# Altium PCB kunkun.PcbDoc (part 4 of 8)
Units mil, origin at the board's own origin, x right, y up, seen from the top; angles counter-clockwise.
Board outline 11417.32 x 6911.54 mil, 2 copper layers (Top Layer, Bottom Layer), stack 28 mil thick; 1172 components, 690 nets, 3402 pads, 1297 vias.
Unrouted connection lines stored in the file: 210.
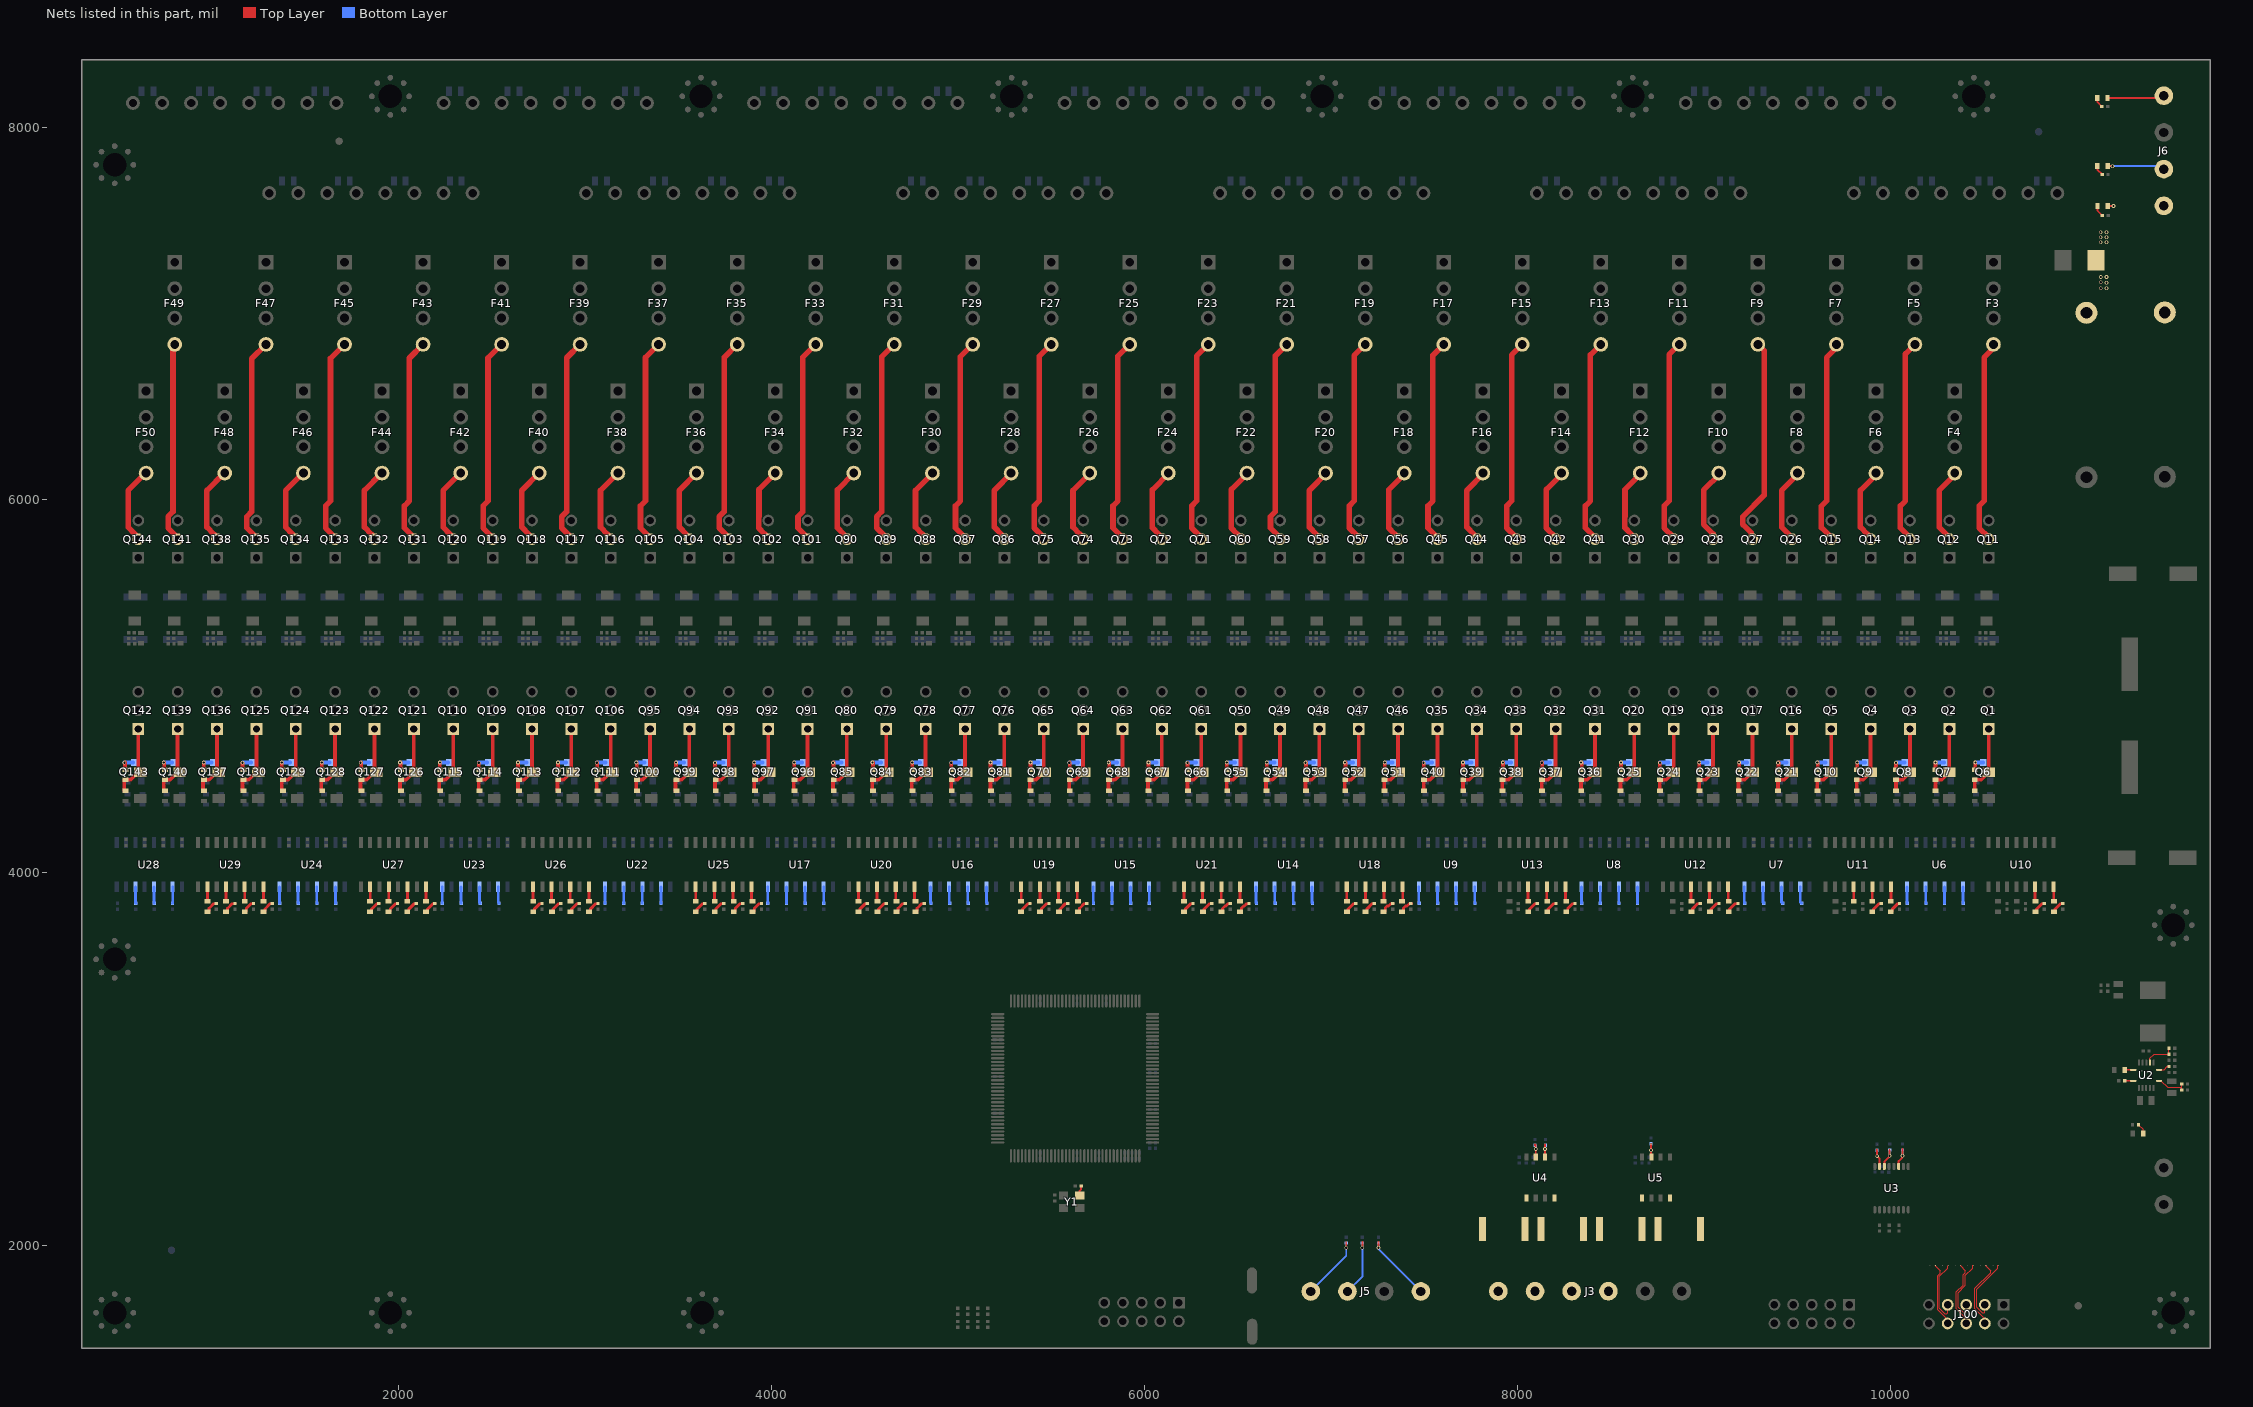
[diagram p4: the nets of this part, all layers, seen from the top]

## Via types
v1: diameter 19.68, hole 11.81, Top Layer to Bottom Layer, tented both sides, 1297 vias

## Nets (pads, with @x,y where several pads share a name; then routed paths per layer and width w, separated by ;. In a path a pad name is that pad's centre, name@x,y a point inside that pad or via, vN(x,y) a via of type N, cw(c..) or ccw(c..) an arc to the next point about the centre after c; other vN are vias at no path point) (continued)
NetD6_2: D6.2 U11.4 | length 77.9
  Top Layer w15: D6.2@9804.26,3846.75 U11.4@9804.26,3924.62
NetD7_1: D7.1 R59.2 | length 72.3
  Top Layer w15: D7.1@8930.09,3791.44 8934.03,3791.44 8938.34,3795.75 8938.34,3804.91 8967.67,3834.24 8977.38,3834.24 R59.2@8978.74,3835.6
NetD7_2: D7.2 U12.4 | length 77.9
  Top Layer w15: D7.2@8931.29,3846.75 U12.4@8931.29,3924.62
NetD8_1: D8.1 R60.2 | length 72.3
  Top Layer w15: D8.1@8057.13,3791.44 8061.07,3791.44 8065.38,3795.75 8065.38,3804.91 8094.71,3834.24 8104.42,3834.24 R60.2@8105.78,3835.6
NetD8_2: D8.2 U13.4 | length 77.9
  Top Layer w15: D8.2@8058.33,3846.75 U13.4@8058.33,3924.62
NetD9_1: D9.1 R61.2 | length 72.3
  Top Layer w15: D9.1@10776.02,3791.44 10779.96,3791.44 10784.27,3795.75 10784.27,3804.91 10813.6,3834.24 10823.31,3834.24 R61.2@10824.67,3835.6
NetD9_2: D9.2 U10.6 | length 77.9
  Top Layer w15: D9.2@10777.22,3846.75 U10.6@10777.22,3924.62
NetD10_1: D10.1 R62.2 | length 72.3
  Top Layer w15: D10.1@9903.06,3791.44 9906.99,3791.44 9911.3,3795.75 9911.3,3804.91 9940.63,3834.24 9950.35,3834.24 R62.2@9951.7,3835.6
NetD10_2: D10.2 U11.6 | length 77.9
  Top Layer w15: D10.2@9904.26,3846.75 U11.6@9904.26,3924.62
NetD11_1: D11.1 R63.2 | length 72.3
  Top Layer w15: D11.1@9030.09,3791.44 9034.03,3791.44 9038.34,3795.75 9038.34,3804.91 9067.67,3834.24 9077.38,3834.24 R63.2@9078.74,3835.6
NetD11_2: D11.2 U12.6 | length 77.9
  Top Layer w15: D11.2@9031.29,3846.75 U12.6@9031.29,3924.62
NetD12_1: D12.1 R64.2 | length 72.3
  Top Layer w15: D12.1@8157.13,3791.44 8161.07,3791.44 8165.38,3795.75 8165.38,3804.91 8194.71,3834.24 8204.42,3834.24 R64.2@8205.78,3835.6
NetD12_2: D12.2 U13.6 | length 77.9
  Top Layer w15: D12.2@8158.33,3846.75 U13.6@8158.33,3924.62
NetD13_1: D13.1 R65.2 | length 72.3
  Top Layer w15: D13.1@10876.02,3791.44 10879.96,3791.44 10884.27,3795.75 10884.27,3804.91 10913.6,3834.24 10923.31,3834.24 R65.2@10924.67,3835.6
NetD13_2: D13.2 U10.8 | length 77.9
  Top Layer w15: D13.2@10877.22,3846.75 U10.8@10877.22,3924.62
NetD14_1: D14.1 R66.2 | length 72.3
  Top Layer w15: D14.1@10003.06,3791.44 10006.99,3791.44 10011.3,3795.75 10011.3,3804.91 10040.63,3834.24 10050.35,3834.24 R66.2@10051.7,3835.6
NetD14_2: D14.2 U11.8 | length 77.9
  Top Layer w15: D14.2@10004.26,3846.75 U11.8@10004.26,3924.62
NetD15_1: D15.1 R67.2 | length 72.3
  Top Layer w15: D15.1@9130.09,3791.44 9134.03,3791.44 9138.34,3795.75 9138.34,3804.91 9167.67,3834.24 9177.38,3834.24 R67.2@9178.74,3835.6
NetD15_2: D15.2 U12.8 | length 77.9
  Top Layer w15: D15.2@9131.29,3846.75 U12.8@9131.29,3924.62
NetD16_1: D16.1 R68.2 | length 74.9
  Top Layer w15: D16.1@8261.07,3791.44 8266.42,3791.44 8270.73,3795.75 8270.73,3809.57 8295.4,3834.24 8308.76,3834.24 R68.2@8308.76,3835.6
NetD16_2: D16.2 U13.8 | length 77.9
  Top Layer w15: D16.2@8258.33,3846.75 U13.8@8258.33,3924.62
NetD17_1: D17.1 R85.2 | length 72.3
  Top Layer w15: D17.1@7084.17,3791.44 7088.1,3791.44 7092.41,3795.75 7092.41,3804.91 7121.74,3834.24 7131.46,3834.24 R85.2@7132.81,3835.6
NetD17_2: D17.2 U18.2 | length 77.9
  Top Layer w15: D17.2@7085.37,3846.75 U18.2@7085.37,3924.62
NetD18_1: D18.1 R86.2 | length 72.3
  Top Layer w15: D18.1@6211.2,3791.44 6215.14,3791.44 6219.45,3795.75 6219.45,3804.91 6248.78,3834.24 6258.49,3834.24 R86.2@6259.85,3835.6
NetD18_2: D18.2 U21.2 | length 77.9
  Top Layer w15: D18.2@6212.4,3846.75 U21.2@6212.4,3924.62
NetD19_1: D19.1 R87.2 | length 72.3
  Top Layer w15: D19.1@5338.24,3791.44 5342.18,3791.44 5346.49,3795.75 5346.49,3804.91 5375.82,3834.24 5385.53,3834.24 R87.2@5386.89,3835.6
NetD19_2: D19.2 U19.2 | length 77.9
  Top Layer w15: D19.2@5339.44,3846.75 U19.2@5339.44,3924.62
NetD20_1: D20.1 R88.2 | length 72.3
  Top Layer w15: D20.1@4465.28,3791.44 4469.21,3791.44 4473.52,3795.75 4473.52,3804.91 4502.85,3834.24 4512.57,3834.24 R88.2@4513.92,3835.6
NetD20_2: D20.2 U20.2 | length 77.9
  Top Layer w15: D20.2@4466.48,3846.75 U20.2@4466.48,3924.62
NetD21_1: D21.1 R89.2 | length 72.3
  Top Layer w15: D21.1@7184.17,3791.44 7188.1,3791.44 7192.41,3795.75 7192.41,3804.91 7221.74,3834.24 7231.46,3834.24 R89.2@7232.81,3835.6
NetD21_2: D21.2 U18.4 | length 77.9
  Top Layer w15: D21.2@7185.37,3846.75 U18.4@7185.37,3924.62
NetD22_1: D22.1 R90.2 | length 72.3
  Top Layer w15: D22.1@6311.2,3791.44 6315.14,3791.44 6319.45,3795.75 6319.45,3804.91 6348.78,3834.24 6358.49,3834.24 R90.2@6359.85,3835.6
NetD22_2: D22.2 U21.4 | length 77.9
  Top Layer w15: D22.2@6312.4,3846.75 U21.4@6312.4,3924.62
NetD23_1: D23.1 R91.2 | length 72.3
  Top Layer w15: D23.1@5438.24,3791.44 5442.18,3791.44 5446.49,3795.75 5446.49,3804.91 5475.82,3834.24 5485.53,3834.24 R91.2@5486.89,3835.6
NetD23_2: D23.2 U19.4 | length 77.9
  Top Layer w15: D23.2@5439.44,3846.75 U19.4@5439.44,3924.62
NetD24_1: D24.1 R92.2 | length 72.3
  Top Layer w15: D24.1@4565.28,3791.44 4569.21,3791.44 4573.52,3795.75 4573.52,3804.91 4602.85,3834.24 4612.57,3834.24 R92.2@4613.92,3835.6
NetD24_2: D24.2 U20.4 | length 77.9
  Top Layer w15: D24.2@4566.48,3846.75 U20.4@4566.48,3924.62
NetD25_1: D25.1 R93.2 | length 76.5
  Top Layer w15: D25.1@7284.17,3791.44 7288.1,3791.44 7291.7,3795.04 7291.7,3811.35 7301.95,3821.6 7309.11,3821.6 7321.74,3834.24 7331.46,3834.24 R93.2@7332.81,3835.6
NetD25_2: D25.2 U18.6 | length 77.9
  Top Layer w15: D25.2@7285.37,3846.75 U18.6@7285.37,3924.62
NetD26_1: D26.1 R94.2 | length 74.8
  Top Layer w15: D26.1@6411.2,3791.44 6415.14,3791.44 6419.45,3795.75 6419.45,3809.11 6431.94,3821.6 6436.14,3821.6 6448.78,3834.24 6458.49,3834.24 R94.2@6459.85,3835.6
NetD26_2: D26.2 U21.6 | length 77.9
  Top Layer w15: D26.2@6412.4,3846.75 U21.6@6412.4,3924.62
NetD27_1: D27.1 R95.2 | length 72.3
  Top Layer w15: D27.1@5538.24,3791.44 D27.1@5542.21,3791.44 5546.49,3795.75 5546.49,3804.91 5575.82,3834.24 5585.53,3834.24 R95.2@5586.89,3835.6
NetD27_2: D27.2 U19.6 | length 77.9
  Top Layer w15: D27.2@5539.44,3846.75 U19.6@5539.44,3924.62
NetD28_1: D28.1 R96.2 | length 74.3
  Top Layer w15: D28.1@4669.21,3791.44 4673.96,3791.44 4678.27,3795.75 4678.27,3809.57 4702.94,3834.24 4716.31,3834.24 R96.2@4716.31,3835.6
NetD28_2: D28.2 U20.6 | length 77.9
  Top Layer w15: D28.2@4666.48,3846.75 U20.6@4666.48,3924.62
NetD29_1: D29.1 R97.2 | length 75.2
  Top Layer w15: D29.1@7384.17,3791.44 7390.04,3797.31 7390.04,3811.35 7400.29,3821.6 7409.11,3821.6 7421.74,3834.24 7431.46,3834.24 R97.2@7432.81,3835.6
NetD29_2: D29.2 U18.8 | length 77.9
  Top Layer w15: D29.2@7385.37,3846.75 U18.8@7385.37,3924.62
NetD30_1: D30.1 R98.2 | length 74.8
  Top Layer w15: D30.1@6511.2,3791.44 6515.14,3791.44 6519.45,3795.75 6519.45,3809.11 6531.94,3821.6 6536.14,3821.6 6548.78,3834.24 6558.49,3834.24 R98.2@6559.85,3835.6
NetD30_2: D30.2 U21.8 | length 77.9
  Top Layer w15: D30.2@6512.4,3846.75 U21.8@6512.4,3924.62
NetD31_1: D31.1 R99.2 | length 75.2
  Top Layer w15: D31.1@5642.18,3791.44 5647.81,3791.44 5652.13,3795.75 5652.13,3809.57 5676.8,3834.24 5690.16,3834.24 R99.2@5690.16,3835.6
NetD31_2: D31.2 U19.8 | length 77.9
  Top Layer w15: D31.2@5639.44,3846.75 U19.8@5639.44,3924.62
NetD32_1: D32.1 R100.2 | length 75.9
  Top Layer w15: D32.1@4769.21,3791.44 4775.62,3791.44 4779.94,3795.75 4779.94,3809.57 4804.61,3834.24 4817.97,3834.24 R100.2@4817.97,3835.6
NetD32_2: D32.2 U20.8 | length 77.9
  Top Layer w15: D32.2@4766.48,3846.75 U20.8@4766.48,3924.62
NetD33_1: D33.1 R117.2 | length 72.3
  Top Layer w15: D33.1@3592.31,3791.44 3596.25,3791.44 3600.56,3795.75 3600.56,3804.91 3629.89,3834.24 3639.6,3834.24 R117.2@3640.96,3835.6
NetD33_2: D33.2 U25.2 | length 77.9
  Top Layer w15: D33.2@3593.51,3846.75 U25.2@3593.51,3924.62
NetD34_1: D34.1 R118.2 | length 72.3
  Top Layer w15: D34.1@2719.35,3791.44 2723.29,3791.44 2727.6,3795.75 2727.6,3804.91 2756.93,3834.24 2766.64,3834.24 R118.2@2768,3835.6
NetD34_2: D34.2 U26.2 | length 77.9
  Top Layer w15: D34.2@2720.55,3846.75 U26.2@2720.55,3924.62
NetD35_1: D35.1 R119.2 | length 144.6
  Top Layer w15: D35.1@1850.32,3791.44 D35.1@1854.63,3795.75 ; D35.1@1850.32,3791.44 D35.1@1846.38,3791.44 D35.1@1850.32,3791.44 ; D35.1@1850.32,3791.44 D35.1@1854.63,3795.75 ; D35.1@1854.63,3795.75 1854.63,3804.91 ; D35.1@1854.63,3795.75 1854.63,3804.91 ; 1854.63,3804.91 1883.96,3834.24 ; 1854.63,3804.91 1883.96,3834.24 ; 1883.96,3834.24 R119.2@1893.67,3834.24 ; 1883.96,3834.24 R119.2@1893.67,3834.24 ; R119.2@1893.67,3834.24 1895.03,3835.6 R119.2@1893.67,3834.24
NetD35_2: D35.2 U27.2 | length 155.7
  Top Layer w15: D35.2@1847.59,3846.75 U27.2@1847.59,3924.62 D35.2@1847.59,3846.75
NetD36_1: D36.1 R120.2 | length 74
  Top Layer w15: D36.1@974.43,3791.44 978.36,3791.44 982.68,3795.75 982.68,3809.57 1007.35,3834.24 1020.71,3834.24 R120.2@1022.07,3835.6
NetD36_2: D36.2 U29.2 | length 78.1
  Top Layer w15: D36.2@974.43,3846.55 974.62,3846.75 U29.2@974.62,3924.62
NetD37_1: D37.1 R121.2 | length 72.3
  Top Layer w15: D37.1@3692.31,3791.44 3696.25,3791.44 3700.56,3795.75 3700.56,3804.91 3729.89,3834.24 3739.6,3834.24 R121.2@3740.96,3835.6
NetD37_2: D37.2 U25.4 | length 77.9
  Top Layer w15: D37.2@3693.51,3846.75 U25.4@3693.51,3924.62
NetD38_1: D38.1 R122.2 | length 72.3
  Top Layer w15: D38.1@2819.35,3791.44 2823.29,3791.44 2827.6,3795.75 2827.6,3804.91 2856.93,3834.24 2866.64,3834.24 R122.2@2868,3835.6
NetD38_2: D38.2 U26.4 | length 77.9
  Top Layer w15: D38.2@2820.55,3846.75 U26.4@2820.55,3924.62
NetD39_1: D39.1 R123.2 | length 72.3
  Top Layer w15: D39.1@1946.38,3791.44 1950.32,3791.44 1954.63,3795.75 1954.63,3804.91 1983.96,3834.24 1993.67,3834.24 R123.2@1995.03,3835.6
NetD39_2: D39.2 U27.4 | length 77.9
  Top Layer w15: D39.2@1947.59,3846.75 U27.4@1947.59,3924.62
NetD40_1: D40.1 R124.2 | length 74
  Top Layer w15: D40.1@1074.43,3791.44 1078.36,3791.44 1082.68,3795.75 1082.68,3809.57 1107.35,3834.24 1120.71,3834.24 R124.2@1122.07,3835.6
NetD40_2: D40.2 U29.4 | length 77.9
  Top Layer w15: D40.2@1074.62,3846.75 U29.4@1074.62,3924.62
NetD41_1: D41.1 R125.2 | length 74.6
  Top Layer w15: D41.1@3796.25,3791.44 3801.3,3791.44 3805.61,3795.75 3805.61,3809.57 3830.29,3834.24 3843.65,3834.24 R125.2@3843.65,3835.6
NetD41_2: D41.2 U25.6 | length 77.9
  Top Layer w15: D41.2@3793.51,3846.75 U25.6@3793.51,3924.62
NetD42_1: D42.1 R126.2 | length 72.3
  Top Layer w15: D42.1@2919.35,3791.44 2923.29,3791.44 2927.6,3795.75 2927.6,3804.91 2956.93,3834.24 2966.64,3834.24 R126.2@2968,3835.6
NetD42_2: D42.2 U26.6 | length 77.9
  Top Layer w15: D42.2@2920.55,3846.75 U26.6@2920.55,3924.62
NetD43_1: D43.1 R127.2 | length 72.3
  Top Layer w15: D43.1@2046.38,3791.44 2050.32,3791.44 2054.63,3795.75 2054.63,3804.91 2083.96,3834.24 2093.67,3834.24 R127.2@2095.03,3835.6
NetD43_2: D43.2 U27.6 | length 77.9
  Top Layer w15: D43.2@2047.59,3846.75 U27.6@2047.59,3924.62
NetD44_1: D44.1 R128.2 | length 74
  Top Layer w15: D44.1@1174.43,3791.44 1178.36,3791.44 1182.68,3795.75 1182.68,3809.57 1207.35,3834.24 1220.71,3834.24 R128.2@1222.07,3835.6
NetD44_2: D44.2 U29.6 | length 77.9
  Top Layer w15: D44.2@1174.62,3846.75 U29.6@1174.62,3924.62
NetD45_1: D45.1 R129.2 | length 76.2
  Top Layer w15: D45.1@3896.25,3791.44 3900.56,3795.75 3907.28,3795.75 3907.28,3809.57 3931.95,3834.24 3945.32,3834.24 R129.2@3945.32,3835.6
NetD45_2: D45.2 U25.8 | length 77.9
  Top Layer w15: D45.2@3893.51,3846.75 U25.8@3893.51,3924.62
NetD46_1: D46.1 R130.2 | length 72.3
  Top Layer w15: D46.1@3019.35,3791.44 3023.29,3791.44 3027.6,3795.75 3027.6,3804.91 3056.93,3834.24 3066.64,3834.24 R130.2@3068,3835.6
NetD46_2: D46.2 U26.8 | length 77.9
  Top Layer w15: D46.2@3020.55,3846.75 U26.8@3020.55,3924.62
NetD47_1: D47.1 R131.2 | length 72.3
  Top Layer w15: D47.1@2146.39,3791.44 2150.32,3791.44 2154.63,3795.75 2154.63,3804.91 2183.96,3834.24 2193.67,3834.24 R131.2@2195.03,3835.6
NetD47_2: D47.2 U27.8 | length 77.9
  Top Layer w15: D47.2@2147.59,3846.75 U27.8@2147.59,3924.62
NetD48_1: D48.1 R132.2 | length 72.1
  Top Layer w15: D48.1@1274.43,3791.44 1278.36,3791.44 1282.68,3795.75 1282.68,3806.34 1310.58,3834.24 1320.71,3834.24 R132.2@1322.07,3835.6
NetD48_2: D48.2 U29.8 | length 77.9
  Top Layer w15: D48.2@1274.62,3846.75 U29.8@1274.62,3924.62
NetD49_2: D49.2 D50.2 J6.1 | length 34.6
  Top Layer w10: D50.2@11167.23,7576.27 v1(11198.05,7576.27) ; J6.1@11466.93,7576.27 J6.1@11468.28,7577.61
  Bottom Layer w10: J6.1@11466.93,7576.27 J6.1@11468.28,7577.61
  other v1: 11129.24,7135.5 11160.64,7135.5 11160.64,7165.49 11129.24,7167.45 11129.24,7195.48 11160.64,7195.48 11128.74,7382.73 11160.64,7382.73 11128.74,7409.39 11160.64,7409.39 11128.74,7436.06 11160.64,7436.06
NetD50_1: D50.1 R133.1 | length 61.1
  Top Layer w10: D50.1@11112.11,7576.27 11112.11,7551.36 R133.1@11137.7,7525.77
NetD51_1: D51.1 R134.1 | length 54.9
  Top Layer w10: D51.1@11111.44,7790.29 11111.44,7771.26 R134.1@11136.81,7745.9
NetD51_2: D51.2 F1.1 J6.2 | length 330.6
  Top Layer w10: D51.2@11166.56,7790.29 v1(11192.43,7790.29) ; J6.2@11452.46,7790.29 J6.2@11468.28,7774.46
  Bottom Layer w10: v1(11192.43,7790.29) 11452.46,7790.29 J6.2@11468.28,7774.46
NetD52_1: D52.1 R135.1 | length 56.3
  Top Layer w10: D52.1@11110.61,8156.29 11110.61,8135.13 R135.1@11135.46,8110.28
NetD52_2: D52.2 F2.1 J6.4 | length 307.5
  Top Layer w10: D52.2@11165.73,8156.29 11456.4,8156.29 J6.4@11468.28,8168.17
NetD53_2: D53.2 Q1.1 R136.1 R146.1 | length 382.1
  Top Layer w20: R136.1@10453.83,4440.23 R146.1@10453.83,4498.76 10487.5,4498.76 D53.2@10528.1,4539.36 10528.1,4770.83 Q1.1@10528.84,4771.57
NetD54_2: D54.2 Q2.1 R137.1 R147.1 | length 382.1
  Top Layer w20: R137.1@10242.79,4440.23 R147.1@10242.79,4498.76 10276.56,4498.76 D54.2@10317.16,4539.36 10317.16,4771.06 Q2.1@10317.67,4771.57
NetD55_2: D55.2 Q3.1 R138.1 R148.1 | length 382.1
  Top Layer w20: R138.1@10031.76,4440.23 R148.1@10031.76,4498.76 10065.62,4498.76 D55.2@10106.22,4539.36 10106.5,4539.64 Q3.1@10106.5,4771.57
NetD56_2: D56.2 Q4.1 R139.1 R149.1 | length 381.1
  Top Layer w20: R139.1@9820.32,4440.23 9820.32,4498.76 9853.99,4498.76 9894.59,4539.36 Q4.1@9894.59,4770.83
NetD57_2: D57.2 Q5.1 R140.1 R150.1 | length 381.1
  Top Layer w20: R140.1@9609.15,4440.23 9609.15,4498.76 9642.82,4498.76 9683.42,4539.36 Q5.1@9683.42,4770.83
NetD63_2: D63.2 Q16.1 R171.1 R181.1 | length 381.1
  Top Layer w20: R171.1@9397.98,4440.23 9397.98,4498.76 9431.65,4498.76 9472.25,4539.36 Q16.1@9472.25,4770.83
NetD64_2: D64.2 Q17.1 R172.1 R182.1 | length 381.1
  Top Layer w20: R172.1@9186.81,4440.23 9186.81,4498.76 9220.48,4498.76 9261.08,4539.36 Q17.1@9261.08,4770.83
NetD65_2: D65.2 Q18.1 R173.1 R183.1 | length 381.4
  Top Layer w20: R173.1@8975.77,4440.23 8975.77,4498.76 9009.54,4498.76 9050.14,4539.36 Q18.1@9050.14,4771.06
NetD66_2: D66.2 Q19.1 R174.1 R184.1 | length 381.7
  Top Layer w20: R174.1@8764.73,4440.23 8764.73,4498.76 8798.59,4498.76 D66.2@8839.2,4539.36 ; D66.2@8839.48,4539.64 Q19.1@8839.48,4771.57
NetD67_2: D67.2 Q20.1 R175.1 R185.1 | length 381.1
  Top Layer w20: R175.1@8553.3,4440.23 8553.3,4498.76 8586.97,4498.76 8627.57,4539.36 Q20.1@8627.57,4770.83
NetD73_2: D73.2 Q31.1 R206.1 R216.1 | length 381.1
  Top Layer w20: R206.1@8342.13,4440.23 8342.13,4498.76 8375.8,4498.76 8416.4,4539.36 Q31.1@8416.4,4770.83
NetD74_2: D74.2 Q32.1 R207.1 R217.1 | length 381.1
  Top Layer w20: R207.1@8130.96,4440.23 8130.96,4498.76 8164.63,4498.76 8205.23,4539.36 Q32.1@8205.23,4770.83
NetD75_2: D75.2 Q33.1 R208.1 R218.1 | length 381.1
  Top Layer w20: R208.1@7919.79,4440.23 7919.79,4498.76 7953.46,4498.76 7994.06,4539.36 Q33.1@7994.06,4770.83
NetD76_2: D76.2 Q34.1 R209.1 R219.1 | length 381.4
  Top Layer w20: R209.1@7708.75,4440.23 7708.75,4498.76 7742.51,4498.76 7783.12,4539.36 Q34.1@7783.12,4771.06
NetD77_2: D77.2 Q35.1 R210.1 R220.1 | length 381.7
  Top Layer w20: R210.1@7497.71,4440.23 7497.71,4498.76 7531.57,4498.76 D77.2@7572.17,4539.36 ; D77.2@7572.46,4539.64 Q35.1@7572.46,4771.57
NetD83_2: D83.2 Q46.1 R241.1 R251.1 | length 381.1
  Top Layer w20: R241.1@7286.28,4440.23 7286.28,4498.76 7319.95,4498.76 7360.55,4539.36 Q46.1@7360.55,4770.83
NetD84_2: D84.2 Q47.1 R242.1 R252.1 | length 381.1
  Top Layer w20: R242.1@7075.11,4440.23 7075.11,4498.76 7108.78,4498.76 7149.38,4539.36 Q47.1@7149.38,4770.83
NetD85_2: D85.2 Q48.1 R243.1 R253.1 | length 381.1
  Top Layer w20: R243.1@6863.94,4440.23 6863.94,4498.76 6897.61,4498.76 6938.21,4539.36 Q48.1@6938.21,4770.83
NetD86_2: D86.2 Q49.1 R244.1 R254.1 | length 381.1
  Top Layer w20: R244.1@6652.77,4440.23 6652.77,4498.76 6686.44,4498.76 6727.04,4539.36 Q49.1@6727.04,4770.83
NetD87_2: D87.2 Q50.1 R245.1 R255.1 | length 381.4
  Top Layer w20: R245.1@6441.73,4440.23 6441.73,4498.76 6475.49,4498.76 6516.09,4539.36 Q50.1@6516.09,4771.06
NetD93_2: D93.2 Q61.1 R276.1 R286.1 | length 381.7
  Top Layer w20: R276.1@6230.69,4440.23 6230.69,4498.76 6264.55,4498.76 D93.2@6305.15,4539.36 ; D93.2@6305.44,4539.64 Q61.1@6305.44,4771.57
NetD94_2: D94.2 Q62.1 R277.1 R287.1 | length 381.1
  Top Layer w20: R277.1@6019.26,4440.23 6019.26,4498.76 6052.92,4498.76 6093.52,4539.36 Q62.1@6093.52,4770.83
NetD95_2: D95.2 Q63.1 R278.1 R288.1 | length 381.1
  Top Layer w20: R278.1@5808.09,4440.23 5808.09,4498.76 5841.75,4498.76 5882.35,4539.36 Q63.1@5882.35,4770.83
NetD96_2: D96.2 Q64.1 R279.1 R289.1 | length 381.1
  Top Layer w20: R279.1@5596.92,4440.23 5596.92,4498.76 5630.58,4498.76 5671.18,4539.36 Q64.1@5671.18,4770.83
NetD97_2: D97.2 Q65.1 R280.1 R290.1 | length 381.1
  Top Layer w20: R280.1@5385.75,4440.23 5385.75,4498.76 5419.41,4498.76 5460.01,4539.36 Q65.1@5460.01,4770.83
NetD103_2: D103.2 Q76.1 R311.1 R321.1 | length 381.4
  Top Layer w20: R311.1@5174.71,4440.23 5174.71,4498.76 5208.47,4498.76 5249.07,4539.36 Q76.1@5249.07,4771.06
NetD104_2: D104.2 Q77.1 R312.1 R322.1 | length 381.7
  Top Layer w20: R312.1@4963.67,4440.23 4963.67,4498.76 4997.53,4498.76 D104.2@5038.13,4539.36 ; D104.2@5038.42,4539.64 Q77.1@5038.42,4771.57
NetD105_2: D105.2 Q78.1 R313.1 R323.1 | length 381.1
  Top Layer w20: R313.1@4752.23,4440.23 4752.23,4498.76 4785.9,4498.76 4826.5,4539.36 Q78.1@4826.5,4770.83
NetD106_2: D106.2 Q79.1 R314.1 R324.1 | length 381.1
  Top Layer w20: R314.1@4541.06,4440.23 4541.06,4498.76 4574.73,4498.76 4615.33,4539.36 Q79.1@4615.33,4770.83
NetD107_2: D107.2 Q80.1 R315.1 R325.1 | length 381.1
  Top Layer w20: R315.1@4329.89,4440.23 4329.89,4498.76 4363.56,4498.76 4404.16,4539.36 Q80.1@4404.16,4770.83
NetD113_2: D113.2 Q91.1 R346.1 R356.1 | length 381.1
  Top Layer w20: R346.1@4118.72,4440.23 4118.72,4498.76 4152.39,4498.76 4192.99,4539.36 Q91.1@4192.99,4770.83
NetD114_2: D114.2 Q92.1 R347.1 R357.1 | length 381.4
  Top Layer w20: R347.1@3907.69,4440.23 3907.69,4498.76 3941.45,4498.76 3982.05,4539.36 Q92.1@3982.05,4771.06
NetD115_2: D115.2 Q93.1 R348.1 R358.1 | length 381.7
  Top Layer w20: R348.1@3696.65,4440.23 3696.65,4498.76 3730.51,4498.76 D115.2@3771.11,4539.36 ; D115.2@3771.4,4539.64 Q93.1@3771.4,4771.57
NetD116_2: D116.2 Q94.1 R349.1 R359.1 | length 381.1
  Top Layer w20: R349.1@3485.21,4440.23 3485.21,4498.76 3518.88,4498.76 3559.48,4539.36 Q94.1@3559.48,4770.83
NetD117_2: D117.2 Q95.1 R350.1 R360.1 | length 381.1
  Top Layer w20: R350.1@3274.04,4440.23 3274.04,4498.76 3307.71,4498.76 3348.31,4539.36 Q95.1@3348.31,4770.83
NetD123_2: D123.2 Q106.1 R381.1 R391.1 | length 381.1
  Top Layer w20: R381.1@3062.87,4440.23 3062.87,4498.76 3096.54,4498.76 3137.14,4539.36 Q106.1@3137.14,4770.83
NetD124_2: D124.2 Q107.1 R382.1 R392.1 | length 381.1
  Top Layer w20: R382.1@2851.7,4440.23 2851.7,4498.76 2885.37,4498.76 2925.97,4539.36 Q107.1@2925.97,4770.83
NetD125_2: D125.2 Q108.1 R383.1 R393.1 | length 381.4
  Top Layer w20: R383.1@2640.67,4440.23 2640.67,4498.76 2674.43,4498.76 2715.03,4539.36 Q108.1@2715.03,4771.06
NetD126_2: D126.2 Q109.1 R384.1 R394.1 | length 381.7
  Top Layer w20: R384.1@2429.63,4440.23 2429.63,4498.76 2463.49,4498.76 D126.2@2504.09,4539.36 ; D126.2@2504.37,4539.64 Q109.1@2504.37,4771.57
NetD127_2: D127.2 Q110.1 R385.1 R395.1 | length 381.1
  Top Layer w20: R385.1@2218.19,4440.23 2218.19,4498.76 2251.86,4498.76 2292.46,4539.36 Q110.1@2292.46,4770.83
NetD133_2: D133.2 Q121.1 R416.1 R426.1 | length 381.1
  Top Layer w20: R416.1@2007.02,4440.23 2007.02,4498.76 2040.69,4498.76 2081.29,4539.36 Q121.1@2081.29,4770.83